# Altium PCB IntelligentCarFor51PcbDoc.PcbDoc (part 2 of 14) (continued)
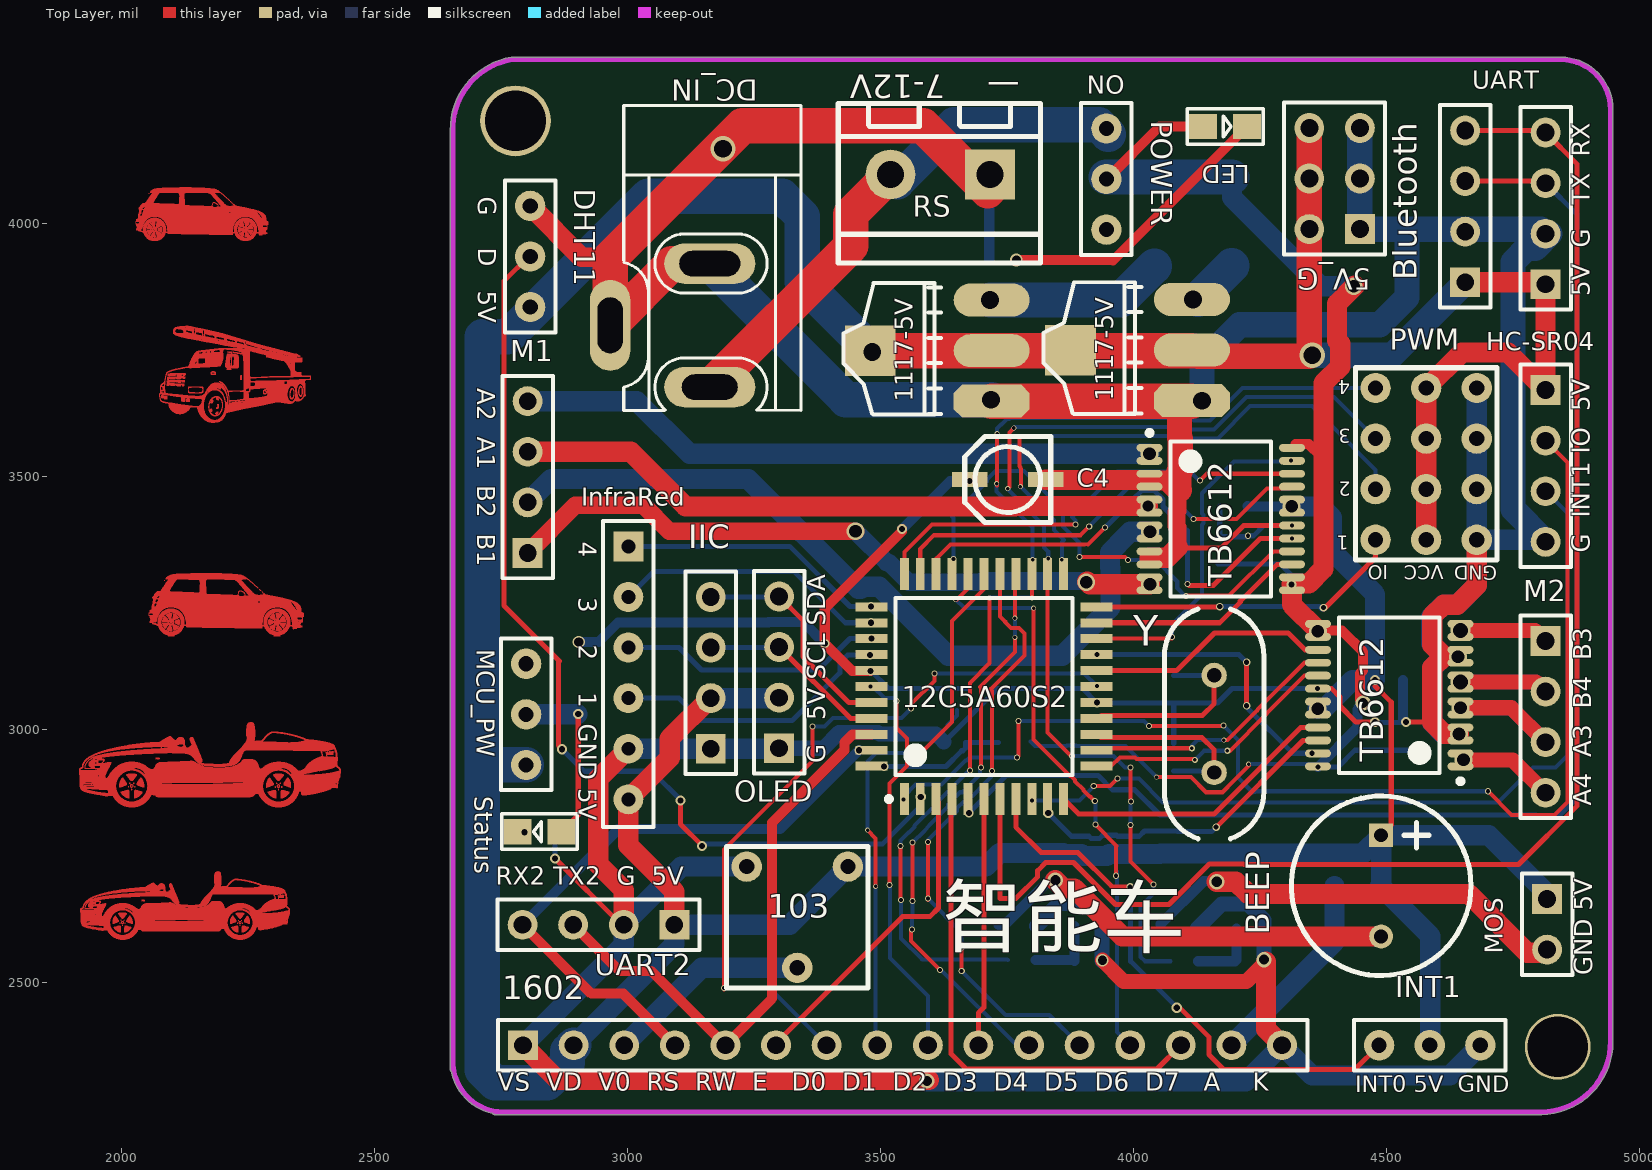
[diagram p0: Top Layer view]
## Nets (pads, with @x,y where several pads share a name; then routed paths per layer and width w, separated by ;. In a path a pad name is that pad's centre, name@x,y a point inside that pad or via, vN(x,y) a via of type N, cw(c..) or ccw(c..) an arc to the next point about the centre after c; other vN are vias at no path point) (continued)
; 2050,4038.1 2068.9,4038.1 ; 2050,4042 2063.2,4042 ; 2050,4043.8 2063.8,4043.8 ; 2050,4044.1 2050.9,4044.1 ; 2050.3,3974.8 2056.9,3974.8 ; 2050.3,4003 2056.9,4003 ; 2050.3,4005.1 2051.8,4005.1 ; 2050.3,4042.3 2063.5,4042.3 ; 2050.3,4044.4 2064.1,4044.4 ; 2050.6,3972.4 2052.4,3972.4 ; 2050.6,3974.5 2057.5,3974.5 ; 2050.6,4003.3 2057.2,4003.3 ; 2050.6,4005.4 2052.4,4005.4 ; 2050.6,4012.6 2055.7,4012.6 ; 2050.6,4017.1 2062,4017.1 ; 2050.6,4044.7 2051.2,4044.7 ; 2050.6,4045 2051.5,4045 ; 2050.9,3972.1 2052.7,3972.1 ; 2050.9,3974.2 2057.8,3974.2 ; 2050.9,4003.6 2057.8,4003.6 ; 2050.9,4005.7 2052.7,4005.7 ; 2050.9,4012.9 2056.3,4012.9 ; 2050.9,4017.4 2081.5,4017.4 ; 2050.9,4043.5 2063.5,4043.5 ; 2050.9,4045.3 2051.8,4045.3 ; 2050.9,4045.6 2051.8,4045.6 ; 2051.2,3971.8 2053,3971.8 ; 2051.2,3973.9 2058.4,3973.9 ; 2051.2,3986.5 2059.6,3986.5 ; 2051.2,3986.8 2059.6,3986.8 ; 2051.2,3987.1 2059.3,3987.1 ; 2051.2,3990.1 2057.8,3990.1 ; 2051.2,3990.4 2059.3,3990.4 ; 2051.2,3990.7 2059.3,3990.7 ; 2051.2,3991 2059.6,3991 ; 2051.2,3991.3 2059.6,3991.3 ; 2051.2,3991.6 2059.6,3991.6 ; 2051.2,4003.9 2058.4,4003.9 ; 2051.2,4006 2053,4006 ; 2051.2,4044.1 2063.8,4044.1 ; 2051.2,4045.9 2052.1,4045.9 ; 2051.5,3971.5 2053.6,3971.5 ; 2051.5,3973.6 2059,3973.6 ; 2051.5,3985 2060.5,3985 ; 2051.5,3985.3 2060.2,3985.3 ; 2051.5,3985.6 2060.2,3985.6 ; 2051.5,3985.9 2059.9,3985.9 ; 2051.5,3986.2 2059.6,3986.2 ; 2051.5,3991.9 2059.9,3991.9 ; 2051.5,3992.2 2059.9,3992.2 ; 2051.5,3992.5 2060.2,3992.5 ; 2051.5,3992.8 2060.5,3992.8 ; 2051.5,4004.2 2059,4004.2 ; 2051.5,4006.3 2053.6,4006.3 ; 2051.5,4013.2 2056.9,4013.2 ; 2051.5,4017.7 2081.2,4017.7 ; 2051.5,4044.7 2064.1,4044.7 ; 2051.5,4046.2 2065,4046.2 ; 2051.5,4046.5 2052.4,4046.5 ; 2051.8,3971.2 2053.9,3971.2 ; 2051.8,3973.3 2059.9,3973.3 ; 2051.8,3984.1 2060.8,3984.1 ; 2051.8,3984.4 2060.8,3984.4 ; 2051.8,3984.7 2060.8,3984.7 ; 2051.8,3993.1 2060.5,3993.1 ; 2051.8,3993.4 2060.2,3993.4 ; 2051.8,3993.7 2059.9,3993.7 ; 2051.8,4004.5 2059.9,4004.5 ; 2051.8,4006.6 2053.9,4006.6 ; 2051.8,4013.5 2057.8,4013.5 ; 2051.8,4045 2064.4,4045 ; 2051.8,4046.8 2065.3,4046.8 ; 2052.1,3983.2 2059.9,3983.2 ; 2052.1,3983.5 2060.2,3983.5 ; 2052.1,3983.8 2060.5,3983.8 ; 2052.1,3994 2059.9,3994 ; 2052.1,3994.3 2059.6,3994.3 ; 2052.1,3994.6 2059.3,3994.6 ; 2052.1,4004.8 2060.8,4004.8 ; 2052.1,4018 2080.6,4018 ; 2052.1,4045.3 2064.4,4045.3 ; 2052.1,4045.6 2064.7,4045.6 ; 2052.1,4047.1 2065.6,4047.1 ; 2052.1,4047.4 2053,4047.4 ; 2052.4,3970.9 2054.5,3970.9 ; 2052.4,3973 2060.8,3973 ; 2052.4,3982.6 2059.6,3982.6 ; 2052.4,3982.9 2059.6,3982.9 ; 2052.4,3994.9 2059,3994.9 ; 2052.4,3995.2 2058.7,3995.2 ; 2052.4,4006.9 2054.5,4006.9 ; 2052.4,4013.8 2059,4013.8 ; 2052.4,4045.9 2065,4045.9 ; 2052.4,4047.7 2053.3,4047.7 ; 2052.7,3970.6 2054.8,3970.6 ; 2052.7,3972.7 2061.7,3972.7 ; 2052.7,3982 2059,3982 ; 2052.7,3982.3 2059.3,3982.3 ; 2052.7,3995.5 2058.7,3995.5 ; 2052.7,3995.8 2058.4,3995.8 ; 2052.7,4005.1 2061.7,4005.1 ; 2052.7,4007.2 2054.8,4007.2 ; 2052.7,4018.3 2080,4018.3 ; 2052.7,4046.5 2065.3,4046.5 ; 2052.7,4048 2066.2,4048 ; 2053,3972.4 2063.5,3972.4 ; 2053,3981.7 2058.7,3981.7 ; 2053,3996.1 2058.1,3996.1 ; 2053,3996.4 2057.8,3996.4 ; 2053,4005.4 2063.2,4005.4 ; 2053,4014.1 2060.2,4014.1 ; 2053,4048.3 2053.6,4048.3 ; 2053,4048.6 2053.9,4048.6 ; 2053.3,3970.3 2055.4,3970.3 ; 2053.3,3972.1 2078.2,3972.1 ; 2053.3,3981.1 2058.4,3981.1 ; 2053.3,3981.4 2058.7,3981.4 ; 2053.3,3996.7 2057.5,3996.7 ; 2053.3,4005.7 2078.2,4005.7 ; 2053.3,4007.5 2055.4,4007.5 ; 2053.3,4018.6 2079.1,4018.6 ; 2053.3,4047.4 2065.6,4047.4 ; 2053.3,4048.9 2066.8,4048.9 ; 2053.3,4049.2 2054.2,4049.2 ; 2053.6,3970 2056,3970 ; 2053.6,3980.5 2058.1,3980.5 ; 2053.6,3980.8 2058.1,3980.8 ; 2053.6,3997 2057.5,3997 ; 2053.6,3997.3 2057.2,3997.3 ; 2053.6,4007.8 2056,4007.8 ; 2053.6,4014.4 2062,4014.4 ; 2053.6,4047.7 2065.9,4047.7 ; 2053.6,4049.5 2054.5,4049.5 ; 2053.9,3971.8 2077.9,3971.8 ; 2053.9,3980.2 2057.8,3980.2 ; 2053.9,3997.6 2056.9,3997.6 ; 2053.9,4006 2077.9,4006 ; 2053.9,4018.9 2078.5,4018.9 ; 2053.9,4048.3 2066.2,4048.3 ; 2053.9,4049.8 2067.1,4049.8 ; 2053.9,4050.1 2054.8,4050.1 ; 2054.2,3969.7 2056.6,3969.7 ; 2054.2,3971.5 2077.3,3971.5 ; 2054.2,3979.9 2057.5,3979.9 ; 2054.2,3997.9 2056.6,3997.9 ; 2054.2,4006.3 2077.3,4006.3 ; 2054.2,4008.1 2056.3,4008.1 ; 2054.2,4014.7 2077.3,4014.7 ; 2054.2,4048.6 2066.5,4048.6 ; 2054.2,4050.4 2055.1,4050.4 ; 2054.5,3969.4 2057.2,3969.4 ; 2054.5,3979.6 2057.2,3979.6 ; 2054.5,3998.2 2056.3,3998.2 ; 2054.5,4019.2 2077.9,4019.2 ; 2054.5,4049.2 2066.8,4049.2 ; 2054.5,4050.7 2067.7,4050.7 ; 2054.5,4051 2068,4051 ; 2054.5,4059.7 2054.8,4059.7 ; 2054.8,3971.2 2077,3971.2 ; 2054.8,3979 2056.9,3979 ; 2054.8,3979.3 2056.9,3979.3 ; 2054.8,3998.5 2056,3998.5 ; 2054.8,3998.8 2055.7,3998.8 ; 2054.8,4006.6 2077,4006.6 ; 2054.8,4008.4 2057.2,4008.4 ; 2054.8,4015 2076.7,4015 ; 2054.8,4049.5 2067.1,4049.5 ; 2054.8,4051.3 2055.7,4051.3 ; 2055.1,3969.1 2057.8,3969.1 ; 2055.1,3970.9 2076.4,3970.9 ; 2055.1,3978.7 2056.6,3978.7 ; 2055.1,3999.1 2055.7,3999.1 ; 2055.1,4006.9 2076.4,4006.9 ; 2055.1,4008.7 2057.8,4008.7 ; 2055.1,4050.1 2067.4,4050.1 ; 2055.1,4051.6 2068.3,4051.6 ; 2055.1,4051.9 2056,4051.9 ; 2055.4,3978.4 2056.3,3978.4 ; 2055.4,4019.5 2077,4019.5 ; 2055.4,4050.4 2067.7,4050.4 ; 2055.4,4052.2 2056.3,4052.2 ; 2055.7,3968.8 2058.7,3968.8 ; 2055.7,3970.6 2075.8,3970.6 ; 2055.7,3978.1 2056.3,3978.1 ; 2055.7,4007.2 2075.8,4007.2 ; 2055.7,4009 2058.7,4009 ; 2055.7,4015.3 2075.8,4015.3 ; 2055.7,4052.5 2068.9,4052.5 ; 2055.7,4052.8 2069.2,4052.8 ; 2056,4019.8 2076.1,4019.8 ; 2056,4051.3 2068.3,4051.3 ; 2056,4053.1 2056.9,4053.1 ; 2056.3,3968.5 2059.6,3968.5 ; 2056.3,3970.3 2075.2,3970.3 ; 2056.3,4007.5 2075.2,4007.5 ; 2056.3,4009.3 2059.6,4009.3 ; 2056.3,4051.9 2068.6,4051.9 ; 2056.3,4053.4 2057.2,4053.4 ; 2056.3,4053.7 2069.5,4053.7 ; 2056.6,4015.6 2074.9,4015.6 ; 2056.6,4052.2 2068.6,4052.2 ; 2056.6,4054 2069.8,4054 ; 2056.6,4062.1 2063.5,4062.1 ; 2056.9,3968.2 2060.5,3968.2 ; 2056.9,3970 2074.6,3970 ; 2056.9,4007.8 2074.6,4007.8 ; 2056.9,4009.6 2060.5,4009.6 ; 2056.9,4054.3 2057.8,4054.3 ; 2056.9,4062.4 2137.6,4062.4 ; 2057.2,3987.4 2059.3,3987.4 ; 2057.2,4020.1 2075.2,4020.1 ; 2057.2,4038.7 2125.6,4038.7 ; 2057.2,4053.1 2069.2,4053.1 ; 2057.2,4054.6 2070.1,4054.6 ; 2057.2,4054.9 2070.4,4054.9 ; 2057.2,4062.7 2063.8,4062.7 ; 2057.5,3969.7 2074,3969.7 ; 2057.5,4000.6 2066.8,4000.6 ; 2057.5,4000.9 2067.1,4000.9 ; 2057.5,4008.1 2074,4008.1 ; 2057.5,4015.9 2074,4015.9 ; 2057.5,4053.4 2069.5,4053.4 ; 2057.5,4055.2 2070.7,4055.2 ; 2057.5,4063 2085.7,4063 ; 2057.8,3967.9 2062,3967.9 ; 2057.8,4000.3 2066.8,4000.3 ; 2057.8,4001.2 2067.1,4001.2 ; 2057.8,4009.9 2062,4009.9 ; 2057.8,4055.5 2058.7,4055.5 ; 2057.8,4055.8 2071,4055.8 ; 2057.8,4063.3 2065.6,4063.3 ; 2057.8,4064.2 2192.5,4064.2 ; 2057.8,4064.5 2192.2,4064.5 ; 2058.1,3976.3 2067.7,3976.3 ; 2058.1,3976.6 2067.4,3976.6 ; 2058.1,4000 2066.8,4000 ; 2058.1,4001.5 2067.1,4001.5 ; 2058.1,4054.3 2070.1,4054.3 ; 2058.1,4056.1 2059,4056.1 ; 2058.1,4064.8 2191.9,4064.8 ; 2058.4,3969.4 2073.1,3969.4 ; 2058.4,3976.9 2067.4,3976.9 ; 2058.4,3999.7 2066.8,3999.7 ; 2058.4,4008.4 2073.4,4008.4 ; 2058.4,4010.2 2064.4,4010.2 ; 2058.4,4020.4 2074,4020.4 ; 2058.4,4056.4 2059.3,4056.4 ; 2058.7,3967.6 2064.4,3967.6 ; 2058.7,3976 2067.7,3976 ; 2058.7,3977.2 2067.4,3977.2 ; 2058.7,3999.4 2066.5,3999.4 ; 2058.7,4001.8 2067.1,4001.8 ; 2058.7,4016.2 2072.8,4016.2 ; 2058.7,4056.7 2059.6,4056.7 ; 2058.7,4057 2071.6,4057 ; 2059,3969.1 2072.5,3969.1 ; 2059,3977.5 2067.1,3977.5 ; 2059,3977.8 2067.1,3977.8 ; 2059,3999.1 2066.5,3999.1 ; 2059,4055.5 2070.7,4055.5 ; 2059,4057.3 2059.9,4057.3 ; 2059.3,3975.7 2067.7,3975.7 ; 2059.3,3978.1 2067.1,3978.1 ; 2059.3,3998.5 2066.5,3998.5 ; 2059.3,3998.8 2066.5,3998.8 ; 2059.3,4002.1 2067.1,4002.1 ; 2059.3,4008.7 2072.5,4008.7 ; 2059.3,4056.1 2071,4056.1 ; 2059.3,4057.6 2072.2,4057.6 ; 2059.3,4065.1 2191.3,4065.1 ; 2059.6,3967.3 2072.2,3967.3 ; 2059.6,3978.4 2067.1,3978.4 ; 2059.6,3998.2 2066.5,3998.2 ; 2059.6,4010.5 2071.9,4010.5 ; 2059.6,4056.4 2071.3,4056.4 ; 2059.6,4057.9 2060.2,4057.9 ; 2059.6,4058.2 2060.5,4058.2 ; 2059.9,3975.4 2067.7,3975.4 ; 2059.9,3978.7 2066.8,3978.7 ; 2059.9,3997.9 2066.2,3997.9 ; 2059.9,4002.4 2067.4,4002.4 ; 2059.9,4020.7 2072.5,4020.7 ; 2059.9,4056.7 2071.6,4056.7 ; 2059.9,4058.5 2060.8,4058.5 ; 2059.9,4065.4 2191,4065.4 ; 2060.2,3968.8 2071.3,3968.8 ; 2060.2,3979 2066.8,3979 ; 2060.2,3979.3 2066.8,3979.3 ; 2060.2,3997.6 2066.2,3997.6 ; 2060.2,4009 2071.6,4009 ; 2060.2,4016.5 2071.3,4016.5 ; 2060.2,4037.8 2078.8,4037.8 ; 2060.2,4057.3 2071.9,4057.3 ; 2060.2,4058.8 2072.8,4058.8 ; 2060.2,4065.7 2190.4,4065.7 ; 2060.5,3967 2071,3967 ; 2060.5,3979.6 2066.8,3979.6 ; 2060.5,3987.7 2061.1,3987.7 ; 2060.5,3988 2061.1,3988 ; 2060.5,3988.3 2060.8,3988.3 ; 2060.5,3988.6 2060.8,3988.6 ; 2060.5,3988.9 2060.8,3988.9 ; 2060.5,3989.2 2060.8,3989.2 ; 2060.5,3989.5 2060.8,3989.5 ; 2060.5,3989.8 2060.8,3989.8 ; 2060.5,3990.1 2061.1,3990.1 ; 2060.5,3990.4 2061.1,3990.4 ; 2060.5,3997.3 2066.2,3997.3 ; 2060.5,4010.8 2071,4010.8 ; 2060.5,4057.9 2072.2,4057.9 ; 2060.5,4059.1 2061.1,4059.1 ; 2060.5,4059.4 2061.4,4059.4 ; 2060.5,4066 2190.1,4066 ; 2060.8,3975.1 2068,3975.1 ; 2060.8,3979.9 2066.5,3979.9 ; 2060.8,3986.8 2061.4,3986.8 ; 2060.8,3987.1 2061.1,3987.1 ; 2060.8,3987.4 2061.1,3987.4 ; 2060.8,3990.7 2061.1,3990.7 ; 2060.8,3991 2061.4,3991 ; 2060.8,3997 2066.2,3997 ; 2060.8,4002.7 2067.4,4002.7 ; 2060.8,4058.2 2072.5,4058.2 ; 2060.8,4059.7 2061.7,4059.7 ; 2060.8,4066.3 2189.5,4066.3 ; 2061.1,3980.2 2066.5,3980.2 ; 2061.1,3980.5 2066.5,3980.5 ; 2061.1,3986.2 2061.7,3986.2 ; 2061.1,3986.5 2061.4,3986.5 ; 2061.1,3991.3 2061.4,3991.3 ; 2061.1,3991.6 2061.7,3991.6 ; 2061.1,3996.7 2066.2,3996.7 ; 2061.1,4058.5 2072.8,4058.5 ; 2061.1,4060 2062,4060 ; 2061.1,4066.6 2188.9,4066.6 ; 2061.4,3968.5 2070.4,3968.5 ; 2061.4,3974.8 2068,3974.8 ; 2061.4,3980.8 2066.2,3980.8 ; 2061.4,3985.9 2061.7,3985.9 ; 2061.4,3988.6 2062,3988.6 ; 2061.4,3988.9 2062,3988.9 ; 2061.4,3991.9 2062,3991.9 ; 2061.4,3996.1 2065.9,3996.1 ; 2061.4,3996.4 2065.9,3996.4 ; 2061.4,4003 2067.4,4003 ; 2061.4,4009.3 2070.4,4009.3 ; 2061.4,4059.1 2073.1,4059.1 ; 2061.4,4060.3 2074,4060.3 ; 2061.4,4060.6 2062.3,4060.6 ; 2061.4,4061.8 2063.2,4061.8 ; 2061.7,3981.1 2066.2,3981.1 ; 2061.7,3985.6 2062,3985.6 ; 2061.7,3987.4 2062.3,3987.4 ; 2061.7,3987.7 2062.3,3987.7 ; 2061.7,3988 2062,3988 ; 2061.7,3988.3 2062,3988.3 ; 2061.7,3989.2 2062,3989.2 ; 2061.7,3989.5 2062,3989.5 ; 2061.7,3989.8 2062,3989.8 ; 2061.7,3990.1 2062.3,3990.1 ; 2061.7,3990.4 2062.3,3990.4 ; 2061.7,3992.2 2062,3992.2 ; 2061.7,3992.5 2062.3,3992.5 ; 2061.7,3995.8 2065.9,3995.8 ; 2061.7,4021 2070.7,4021 ; 2061.7,4059.4 2073.1,4059.4 ; 2061.7,4060.9 2062.6,4060.9 ; 2061.7,4061.2 2074.9,4061.2 ; 2061.7,4061.5 2062.9,4061.5 ; 2061.7,4066.9 2188.6,4066.9 ; 2062,3981.4 2066.2,3981.4 ; 2062,3985 2062.9,3985 ; 2062,3985.3 2062.3,3985.3 ; 2062,3986.8 2062.6,3986.8 ; 2062,3987.1 2062.3,3987.1 ; 2062,3990.7 2062.3,3990.7 ; 2062,3991 2062.6,3991 ; 2062,3992.8 2062.6,3992.8 ; 2062,3995.5 2064.7,3995.5 ; 2062,4059.7 2073.4,4059.7 ; 2062.3,3966.7 2069.5,3966.7 ; 2062.3,3981.7 2066.2,3981.7 ; 2062.3,3984.7 2063.2,3984.7 ; 2062.3,3986.5 2062.9,3986.5 ; 2062.3,3991.3 2062.9,3991.3 ; 2062.3,3995.2 2063.5,3995.2 ; 2062.3,4011.1 2069.5,4011.1 ; 2062.3,4016.8 2068.9,4016.8 ; 2062.3,4060 2073.7,4060 ; 2062.3,4067.2 2188,4067.2 ; 2062.6,3982 2066.2,3982 ; 2062.6,3982.3 2065,3982.3 ; 2062.6,3986.2 2063.2,3986.2 ; 2062.6,3991.6 2063.2,3991.6 ; 2062.6,3993.1 2063.2,3993.1 ; 2062.6,3994.9 2062.9,3994.9 ; 2062.6,4003.3 2067.4,4003.3 ; 2062.6,4060.6 2074.3,4060.6 ; 2062.9,3974.5 2068,3974.5 ; 2062.9,3982.6 2063.8,3982.6 ; 2062.9,3984.4 2063.8,3984.4 ; 2062.9,3985.9 2063.5,3985.9 ; 2062.9,3986.8 2063.5,3986.8 ; 2062.9,3987.1 2063.2,3987.1 ; 2062.9,3987.4 2063.5,3987.4 ; 2062.9,3991.9 2063.5,3991.9 ; 2062.9,3993.4 2063.8,3993.4 ; 2062.9,4060.9 2074.6,4060.9 ; 2062.9,4067.5 2187.4,4067.5 ; 2063.2,3968.2 2068.6,3968.2 ; 2063.2,3985.6 2063.8,3985.6 ; 2063.2,3986.5 2064.4,3986.5 ; 2063.2,3987.7 2064.1,3987.7 ; 2063.2,3990.7 2063.8,3990.7 ; 2063.2,3991 2063.5,3991 ; 2063.2,3991.3 2063.8,3991.3 ; 2063.2,3992.2 2063.8,3992.2 ; 2063.2,4009.6 2068.6,4009.6 ; 2063.2,4061.5 2075.8,4061.5 ; 2063.5,3984.1 2064.7,3984.1 ; 2063.5,3985.3 2064.7,3985.3 ; 2063.5,3990.4 2064.4,3990.4 ; 2063.5,3991.6 2064.7,3991.6 ; 2063.5,3992.5 2064.7,3992.5 ; 2063.5,3993.7 2064.7,3993.7 ; 2063.5,4061.8 2122.9,4061.8 ; 2063.5,4067.8 2186.8,4067.8 ; 2063.8,3987.4 2064.4,3987.4 ; 2063.8,4062.1 2122.9,4062.1 ; 2064.1,3983.8 2067.4,3983.8 ; 2064.1,3985 2067.4,3985 ; 2064.1,3986.8 2064.4,3986.8 ; 2064.1,3987.1 2064.7,3987.1 ; 2064.1,3988 2065.3,3988 ; 2064.1,3988.3 2065,3988.3 ; 2064.1,3988.6 2064.7,3988.6 ; 2064.1,3988.9 2064.7,3988.9 ; 2064.1,3989.2 2064.7,3989.2 ; 2064.1,3989.5 2065,3989.5 ; 2064.1,3989.8 2065.3,3989.8 ; 2064.1,3990.7 2064.7,3990.7 ; 2064.1,3991.3 2064.7,3991.3 ; 2064.1,3992.8 2067.4,3992.8 ; 2064.1,3994 2067.4,3994 ; 2064.1,4062.7 2110.3,4062.7 ; 2064.4,3987.7 2067.1,3987.7 ; 2064.4,3990.1 2067.1,3990.1 ; 2064.4,3991 2064.7,3991 ; 2064.4,4068.1 2186.2,4068.1 ; 2064.7,3987.4 2066.8,3987.4 ; 2064.7,3990.4 2066.8,3990.4 ; 2065,3974.2 2065.9,3974.2 ; 2065,3984.7 2066.5,3984.7 ; 2065,3993.1 2066.5,3993.1 ; 2065,4003.6 2065.6,4003.6 ; 2065,4021.3 2065.6,4021.3 ; 2065,4063.9 2191.9,4063.9 ; 2065,4068.4 2185,4068.4 ; 2065.3,3990.7 2066.2,3990.7 ; 2065.6,3987.1 2065.9,3987.1 ; 2065.6,4021.6 2213.5,4021.6 ; 2065.9,4003.6 2066.2,4003.6 ; 2065.9,4068.7 2183.5,4068.7 ; 2066.2,3974.2 2066.5,3974.2 ; 2066.2,3988 2067.4,3988 ; 2066.2,3989.8 2067.4,3989.8 ; 2066.5,3988.3 2067.4,3988.3 ; 2066.5,3989.5 2067.4,3989.5 ; 2066.5,4003.6 2066.8,4003.6 ; 2066.8,3984.1 2068.3,3984.1 ; 2066.8,3986.5 2067.4,3986.5 ; 2066.8,3986.8 2067.1,3986.8 ; 2066.8,3987.1 2067.4,3987.1 ; 2066.8,3988.6 2067.7,3988.6 ; 2066.8,3988.9 2067.7,3988.9 ; 2066.8,3989.2 2067.7,3989.2 ; 2066.8,3993.7 2068.3,3993.7 ; 2067.1,3967.6 2073.1,3967.6 ; 2067.1,3985.3 2068,3985.3 ; 2067.1,3986.2 2068,3986.2 ; 2067.1,3987.4 2068.3,3987.4 ; 2067.1,3990.4 2067.7,3990.4 ; 2067.1,3990.7 2067.4,3990.7 ; 2067.1,3991 2067.7,3991 ; 2067.1,3992.5 2068,3992.5 ; 2067.1,4010.2 2073.1,4010.2 ; 2067.1,4069 2181.4,4069 ; 2067.4,3990.1 2068.6,3990.1 ; 2067.4,3991.3 2068.3,3991.3 ; 2067.4,4038.4 2068,4038.4 ; 2067.7,3984.4 2068.6,3984.4 ; 2067.7,3985.6 2068.3,3985.6 ; 2067.7,3987.1 2068.3,3987.1 ; 2067.7,3992.2 2068.6,3992.2 ; 2067.7,3993.4 2068.6,3993.4 ; 2068,3986.5 2068.3,3986.5 ; 2068,3986.8 2068.6,3986.8 ; 2068.3,3984.7 2069.2,3984.7 ; 2068.3,3985.9 2068.9,3985.9 ; 2068.3,3990.4 2068.6,3990.4 ; 2068.3,3990.7 2068.9,3990.7 ; 2068.3,3991 2068.6,3991 ; 2068.3,3991.9 2068.9,3991.9 ; 2068.3,3993.1 2069.2,3993.1 ; 2068.3,4005.4 2078.5,4005.4 ; 2068.3,4069.3 2179,4069.3 ; 2068.6,3972.4 2078.5,3972.4 ; 2068.6,3982.6 2076.4,3982.6 ; 2068.6,3982.9 2075.8,3982.9 ; 2068.6,3986.2 2069.2,3986.2 ; 2068.6,3986.5 2069.2,3986.5 ; 2068.6,3991.6 2069.2,3991.6 ; 2068.6,3995.2 2076.1,3995.2 ; 2068.6,3995.5 2076.7,3995.5 ; 2068.6,3995.8 2077.6,3995.8 ; 2068.6,3996.1 2077.9,3996.1 ; 2068.6,3996.4 2078.5,3996.4 ; 2068.6,4017.1 2082.1,4017.1 ; 2068.9,3981.1 2078.2,3981.1 ; 2068.9,3981.4 2078.5,3981.4 ; 2068.9,3981.7 2078.5,3981.7 ; 2068.9,3982 2077.6,3982 ; 2068.9,3982.3 2077,3982.3 ; 2068.9,3985 2069.5,3985 ; 2068.9,3986.8 2069.5,3986.8 ; 2068.9,3991 2069.5,3991 ; 2068.9,3991.3 2069.2,3991.3 ; 2068.9,3992.8 2069.5,3992.8 ; 2068.9,3994.9 2075.5,3994.9 ; 2068.9,3996.7 2078.2,3996.7 ; 2068.9,3997 2078.2,3997 ; 2068.9,3997.3 2077.9,3997.3 ; 2068.9,3997.6 2077.6,3997.6 ; 2068.9,3997.9 2077.3,3997.9 ; 2068.9,4038.4 2125.6,4038.4 ; 2069.2,3979.9 2077.3,3979.9 ; 2069.2,3980.2 2077.6,3980.2 ; 2069.2,3980.5 2077.9,3980.5 ; 2069.2,3980.8 2078.2,3980.8 ; 2069.2,3983.2 2075.2,3983.2 ; 2069.2,3985.3 2069.8,3985.3 ; 2069.2,3987.1 2069.5,3987.1 ; 2069.2,3987.4 2069.8,3987.4 ; 2069.2,3990.4 2069.8,3990.4 ; 2069.2,3990.7 2069.8,3990.7 ; 2069.2,3992.5 2069.8,3992.5 ; 2069.2,3998.2 2077.3,3998.2 ; 2069.2,3998.5 2077,3998.5 ; 2069.2,3998.8 2076.7,3998.8 ; 2069.2,3999.1 2076.4,3999.1 ; 2069.2,3999.4 2076.1,3999.4 ; 2069.2,4014.4 2078.2,4014.4 ; 2069.5,3967.9 2074,3967.9 ; 2069.5,3978.7 2076.4,3978.7 ; 2069.5,3979 2076.7,3979 ; 2069.5,3979.3 2077,3979.3 ; 2069.5,3979.6 2077.3,3979.6 ; 2069.5,3985.6 2070.1,3985.6 ; 2069.5,3987.7 2069.8,3987.7 ; 2069.5,3988 2069.8,3988 ; 2069.5,3988.3 2070.1,3988.3 ; 2069.5,3988.6 2070.1,3988.6 ; 2069.5,3988.9 2070.1,3988.9 ; 2069.5,3989.2 2070.1,3989.2 ; 2069.5,3989.5 2070.1,3989.5 ; 2069.5,3989.8 2069.8,3989.8 ; 2069.5,3990.1 2069.8,3990.1 ; 2069.5,3992.2 2070.1,3992.2 ; 2069.5,3994.6 2074.9,3994.6 ; 2069.5,3999.7 2075.8,3999.7 ; 2069.5,4000 2075.5,4000 ; 2069.5,4000.3 2074.9,4000.3 ; 2069.5,4000.6 2074.6,4000.6 ; 2069.5,4000.9 2074.3,4000.9 ; 2069.5,4009.9 2074,4009.9 ; 2069.5,4037.5 2088.4,4037.5 ; 2069.8,3972.7 2079.1,3972.7 ; 2069.8,3977.5 2075.2,3977.5 ; 2069.8,3977.8 2075.5,3977.8 ; 2069.8,3978.1 2075.8,3978.1 ; 2069.8,3978.4 2076.1,3978.4 ; 2069.8,3983.5 2074.6,3983.5 ; 2069.8,3985.9 2070.4,3985.9 ; 2069.8,3986.2 2070.4,3986.2 ; 2069.8,3991.6 2070.4,3991.6 ; 2069.8,3991.9 2070.1,3991.9 ; 2069.8,3994.3 2074.3,3994.3 ; 2069.8,4001.2 2074,4001.2 ; 2069.8,4001.5 2073.4,4001.5 ; 2069.8,4001.8 2072.8,4001.8 ; 2069.8,4002.1 2072.2,4002.1 ; 2069.8,4002.4 2071.6,4002.4 ; 2069.8,4005.1 2079.1,4005.1 ; 2069.8,4069.6 2176,4069.6 ; 2070.1,3976 2072.8,3976 ; 2070.1,3976.3 2073.4,3976.3 ; 2070.1,3976.6 2073.7,3976.6 ; 2070.1,3976.9 2074.3,3976.9 ; 2070.1,3977.2 2074.9,3977.2 ; 2070.1,3983.8 2073.7,3983.8 ; 2070.1,3986.5 2070.7,3986.5 ; 2070.1,3991 2070.7,3991 ; 2070.1,3991.3 2070.7,3991.3 ; 2070.1,3994 2073.7,3994 ; 2070.1,4002.7 2071,4002.7 ; 2070.1,4021.3 2070.4,4021.3 ; 2070.4,3975.1 2071,3975.1 ; 2070.4,3975.4 2071.6,3975.4 ; 2070.4,3975.7 2072.2,3975.7 ; 2070.4,3984.1 2073.1,3984.1 ; 2070.4,3986.8 2070.7,3986.8 ; 2070.4,3987.1 2070.7,3987.1 ; 2070.4,3987.4 2071,3987.4 ; 2070.4,3990.4 2071,3990.4 ; 2070.4,3990.7 2071,3990.7 ; 2070.4,3993.7 2073.1,3993.7 ; 2070.7,3984.4 2072.5,3984.4 ; 2070.7,3987.7 2071,3987.7 ; 2070.7,3988 2071,3988 ; 2070.7,3988.3 2071.3,3988.3 ; 2070.7,3988.6 2071.3,3988.6 ; 2070.7,3988.9 2071.3,3988.9 ; 2070.7,3989.2 2071.3,3989.2 ; 2070.7,3989.5 2071.3,3989.5 ; 2070.7,3989.8 2071,3989.8 ; 2070.7,3990.1 2071,3990.1 ; 2070.7,3993.4 2072.2,3993.4 ; 2070.7,4004.8 2079.4,4004.8 ; 2070.7,4021.3 2221,4021.3 ; 2071,3968.2 2074.6,3968.2 ; 2071,3973 2079.4,3973 ; 2071,3984.7 2071.6,3984.7 ; 2071,3993.1 2071.6,3993.1 ; 2071,4009.6 2074.6,4009.6 ; 2071,4014.1 2078.8,4014.1 ; 2071.3,4016.8 2082.7,4016.8 ; 2071.6,4069.9 2172.7,4069.9 ; 2071.9,3968.5 2075.2,3968.5 ; 2071.9,3973.3 2079.7,3973.3 ; 2071.9,4004.5 2079.7,4004.5 ; 2071.9,4009.3 2075.2,4009.3 ; 2072.5,3973.6 2080,3973.6 ; 2072.5,3987.4 2080.3,3987.4 ; 2072.5,3987.7 2080.6,3987.7 ; 2072.5,3988 2080.6,3988 ; 2072.5,3988.3 2080.6,3988.3 ; 2072.5,3988.6 2080.6,3988.6 ; 2072.5,3988.9 2080.6,3988.9 ; 2072.5,3989.2 2080.6,3989.2 ; 2072.5,3989.5 2080.6,3989.5 ; 2072.5,3989.8 2080.6,3989.8 ; 2072.5,3990.1 2080.6,3990.1 ; 2072.5,3990.4 2080.3,3990.4 ; 2072.5,4004.2 2080,4004.2 ; 2072.5,4013.8 2079.4,4013.8 ; 2072.5,4021 2230.6,4021 ; 2072.8,4009 2075.8,4009 ; 2072.8,4016.5 2083,4016.5 ; 2073.1,3968.8 2075.8,3968.8 ; 2073.1,3973.9 2080.3,3973.9 ; 2073.1,3987.1 2080.3,3987.1 ; 2073.1,3990.7 2080.3,3990.7 ; 2073.1,4003.9 2080.3,4003.9 ; 2073.4,3991 2080.3,3991 ; 2073.7,3969.1 2076.4,3969.1 ; 2073.7,3974.2 2080.6,3974.2 ; 2073.7,3986.8 2080.3,3986.8 ; 2073.7,4003.6 2080.6,4003.6 ; 2073.7,4008.7 2076.4,4008.7 ; 2073.7,4013.5 2079.7,4013.5 ; 2074,3991.3 2080.3,3991.3 ; 2074,4016.2 2083.3,4016.2 ; 2074,4020.7 2266.9,4020.7 ; 2074.3,3969.4 2077,3969.4 ; 2074.3,3974.5 2080.9,3974.5 ; 2074.3,3986.5 2080.3,3986.5 ; 2074.3,4003.3 2080.9,4003.3 ; 2074.3,4008.4 2077,4008.4 ; 2074.3,4070.2 2169.7,4070.2 ; 2074.6,4013.2 2080.3,4013.2 ; 2074.9,3974.8 2081.2,3974.8 ; 2074.9,3986.2 2080.3,3986.2 ; 2074.9,3991.6 2080.3,3991.6 ; 2074.9,4003 2081.2,4003 ; 2074.9,4020.4 2231.2,4020.4 ; 2075,3661.3 2076.2,3661.3 ; 2075,3661.6 2076.2,3661.6 ; 2075,3661.9 2076.2,3661.9 ; 2075,3662.2 2076.2,3662.2 ; 2075,3662.5 2076.2,3662.5 ; 2075,3662.8 2076.2,3662.8 ; 2075,3663.1 2076.2,3663.1 ; 2075,3663.4 2076.5,3663.4 ; 2075.2,3969.7 2077.6,3969.7 ; 2075.2,3975.1 2081.5,3975.1 ; 2075.2,3991.9 2080.3,3991.9 ; 2075.2,4002.7 2081.5,4002.7 ; 2075.2,4008.1 2077.6,4008.1 ; 2075.2,4015.9 2083.9,4015.9 ; 2075.3,3658.9 2076.5,3658.9 ; 2075.3,3659.2 2076.2,3659.2 ; 2075.3,3659.5 2076.2,3659.5 ; 2075.3,3659.8 2076.2,3659.8 ; 2075.3,3660.1 2076.2,3660.1 ; 2075.3,3660.4 2076.2,3660.4 ; 2075.3,3660.7 2076.2,3660.7 ; 2075.3,3661 2076.2,3661 ; 2075.3,3663.7 2076.8,3663.7 ; 2075.3,3664 2093.9,3664 ; 2075.5,3975.4 2081.8,3975.4 ; 2075.5,3985.9 2080.3,3985.9 ; 2075.5,4002.4 2081.8,4002.4 ; 2075.5,4012.9 2080.9,4012.9 ; 2075.6,3657.1 2076.5,3657.1 ; 2075.6,3657.4 2076.5,3657.4 ; 2075.6,3657.7 2076.5,3657.7 ; 2075.6,3658 2076.5,3658 ; 2075.6,3658.3 2076.5,3658.3 ; 2075.6,3658.6 2076.5,3658.6 ; 2075.6,3664.3 2091.8,3664.3 ; 2075.8,3970 2077.9,3970 ; 2075.8,3992.2 2080,3992.2 ; 2075.8,4007.8 2077.9,4007.8 ; 2075.9,3655.3 2077.1,3655.3 ; 2075.9,3655.6 2076.8,3655.6 ; 2075.9,3655.9 2076.8,3655.9 ; 2075.9,3656.2 2076.8,3656.2 ; 2075.9,3656.5 2076.8,3656.5 ; 2075.9,3656.8 2076.8,3656.8 ; 2075.9,3664.6 2090.3,3664.6 ; 2076.1,3970.3 2078.5,3970.3 ; 2076.1,3975.7 2082.1,3975.7 ; 2076.1,3985.6 2080,3985.6 ; 2076.1,4002.1 2082.1,4002.1 ; 2076.1,4015.6 2084.2,4015.6 ; 2076.2,3653.5 2077.4,3653.5 ; 2076.2,3653.8 2077.4,3653.8 ; 2076.2,3654.1 2077.4,3654.1 ; 2076.2,3654.4 2077.1,3654.4 ; 2076.2,3654.7 2077.1,3654.7 ; 2076.2,3655 2077.1,3655 ; 2076.2,3664.9 2089.1,3664.9 ; 2076.4,3976 2082.1,3976 ; 2076.4,4001.8 2082.1,4001.8 ; 2076.4,4007.5 2078.5,4007.5 ; 2076.4,4012.6 2081.2,4012.6 ; 2076.4,4020.1 2231.5,4020.1 ; 2076.5,3652.3 2077.7,3652.3 ; 2076.5,3652.6 2077.7,3652.6 ; 2076.5,3652.9 2077.7,3652.9 ; 2076.5,3653.2 2077.4,3653.2 ; 2076.5,3670 2083.1,3670 ; 2076.5,3670.3 2083.4,3670.3 ; 2076.5,3670.6 2083.4,3670.6 ; 2076.5,3670.9 2079.2,3670.9 ; 2076.5,3671.2 2078.6,3671.2 ; 2076.5,3671.5 2078.3,3671.5 ; 2076.5,3671.8 2078,3671.8 ; 2076.5,3672.1 2078,3672.1 ; 2076.5,3672.4 2078,3672.4 ; 2076.5,3672.7 2077.7,3672.7 ; 2076.5,3673 2077.7,3673 ; 2076.5,3673.3 2077.7,3673.3 ; 2076.5,3673.6 2077.7,3673.6 ; 2076.5,3673.9 2077.7,3673.9 ; 2076.5,3674.2 2077.7,3674.2 ; 2076.7,3970.6 2078.8,3970.6 ; 2076.7,3976.3 2082.4,3976.3 ; 2076.7,3985.3 2080,3985.3 ; 2076.7,3992.5 2080,3992.5 ; 2076.7,4001.5 2082.4,4001.5 ; 2076.7,4007.2 2078.8,4007.2 ; 2076.7,4015.3 2084.8,4015.3 ; 2076.8,3651.4 2078.3,3651.4 ; 2076.8,3651.7 2078,3651.7 ; 2076.8,3652 2078,3652 ; 2076.8,3665.2 2088.2,3665.2 ; 2076.8,3668.2 2078.3,3668.2 ; 2076.8,3668.5 2078,3668.5 ; 2076.8,3668.8 2078,3668.8 ; 2076.8,3669.1 2078,3669.1 ; 2076.8,3669.4 2078,3669.4 ; 2076.8,3669.7 2078.3,3669.7 ; 2076.8,3674.5 2077.7,3674.5 ; 2076.8,3674.8 2077.7,3674.8 ; 2076.8,3675.1 2077.7,3675.1 ; 2076.8,3675.4 2077.7,3675.4 ; 2076.8,3675.7 2077.7,3675.7 ; 2076.8,3676 2077.7,3676 ; 2076.8,3676.3 2077.7,3676.3 ; 2076.8,3676.6 2078,3676.6 ; 2076.8,3676.9 2078,3676.9 ; 2076.8,3677.2 2078,3677.2 ; 2076.8,3677.5 2078,3677.5 ; 2076.8,3677.8 2078,3677.8 ; 2076.8,3678.1 2078.6,3678.1 ; 2077,3976.6 2082.7,3976.6 ; 2077,4001.2 2082.7,4001.2 ; 2077,4012.3 2081.8,4012.3 ; 2077,4019.8 2231.8,4019.8 ; 2077.1,3650.8 2078.6,3650.8 ; 2077.1,3651.1 2078.3,3651.1 ; 2077.1,3667.3 2079.2,3667.3 ; 2077.1,3667.6 2078.9,3667.6 ; 2077.1,3667.9 2078.6,3667.9 ; 2077.1,3678.4 2082.8,3678.4 ; 2077.1,3678.7 2082.2,3678.7 ; 2077.1,3679 2081,3679 ; 2077.1,3679.3 2079.8,3679.3 ; 2077.3,3970.9 2079.4,3970.9 ; 2077.3,3976.9 2083,3976.9 ; 2077.3,3985 2080,3985 ; 2077.3,3992.8 2080,3992.8 ; 2077.3,4000.9 2083,4000.9 ; 2077.3,4006.9 2079.4,4006.9 ; 2077.4,3650.5 2078.9,3650.5 ; 2077.4,3666.7 2080.1,3666.7 ; 2077.4,3667 2079.5,3667 ; 2077.4,3679.6 2078.9,3679.6 ; 2077.4,3679.9 2078.6,3679.9 ; 2077.4,3680.2 2078.6,3680.2 ; 2077.6,3971.2 2079.7,3971.2 ; 2077.6,3977.2 2083,3977.2 ; 2077.6,4006.6 2079.7,4006.6 ; 2077.6,4012 2082.1,4012 ; 2077.6,4015 2085.1,4015 ; 2077.7,3650.2 2079.2,3650.2 ; 2077.7,3666.4 2081,3666.4 ; 2077.7,3680.5 2078.6,3680.5 ; 2077.7,3680.8 2078.9,3680.8 ; 2077.9,3977.5 2083.3,3977.5 ; 2077.9,3984.7 2080,3984.7 ; 2077.9,3993.1 2080,3993.1 ; 2077.9,4000.3 2083.3,4000.3 ; 2077.9,4000.6 2083,4000.6 ; 2077.9,4019.5 2232.1,4019.5 ; 2078,3649.9 2079.8,3649.9 ; 2078,3666.1 2082.2,3666.1 ; 2078,3681.1 2079.2,3681.1 ; 2078,3681.4 2079.5,3681.4 ; 2078.2,3971.5 2080,3971.5 ; 2078.2,3977.8 2083.6,3977.8 ; 2078.2,4000 2083.6,4000 ; 2078.2,4006.3 2080,4006.3 ; 2078.2,4011.7 2082.7,4011.7 ; 2078.2,4014.7 2085.4,4014.7 ; 2078.2,4038.1 2124.1,4038.1 ; 2078.3,3649.6 2080.1,3649.6 ; 2078.3,3665.5 2087.6,3665.5 ; 2078.3,3665.8 2087.3,3665.8 ; 2078.3,3681.7 2079.8,3681.7 ; 2078.5,3971.8 2080.3,3971.8 ; 2078.5,3978.1 2083.6,3978.1 ; 2078.5,3984.4 2079.7,3984.4 ; 2078.5,3993.4 2079.7,3993.4 ; 2078.5,3999.7 2083.6,3999.7 ; 2078.5,4006 2080.3,4006 ; 2078.5,4019.2 2256.7,4019.2 ; 2078.6,3649.3 2080.7,3649.3 ; 2078.6,3663.7 2096.6,3663.7 ; 2078.6,3682 2080.1,3682 ; 2078.8,3972.1 2080.6,3972.1 ; 2078.8,3978.4 2083.9,3978.4 ; 2078.8,3999.4 2083.9,3999.4 ; 2078.8,4005.7 2080.9,4005.7 ; 2078.8,4011.4 2083,4011.4 ; 2078.8,4014.4 2085.7,4014.4 ; 2078.8,4037.2 2097.4,4037.2 ; 2078.9,3649 2081.3,3649 ; 2078.9,3657.4 2083.7,3657.4 ; 2078.9,3657.7 2083.7,3657.7 ; 2078.9,3658 2083.7,3658 ; 2078.9,3658.3 2083.7,3658.3 ; 2078.9,3658.6 2083.7,3658.6 ; 2078.9,3658.9 2083.7,3658.9 ; 2078.9,3659.2 2083.7,3659.2 ; 2078.9,3659.5 2083.4,3659.5 ; 2078.9,3659.8 2083.4,3659.8 ; 2078.9,3660.1 2083.4,3660.1 ; 2078.9,3660.4 2083.1,3660.4 ; 2078.9,3660.7 2082.8,3660.7 ; 2078.9,3682.3 2080.7,3682.3 ; 2079.1,3978.7 2083.9,3978.7 ; 2079.1,3984.1 2079.7,3984.1 ; 2079.1,3993.7 2079.7,3993.7 ; 2079.1,3999.1 2083.9,3999.1 ; 2079.1,4018.9 2232.4,4018.9 ; 2079.2,3656.5 2083.7,3656.5 ; 2079.2,3656.8 2083.7,3656.8 ; 2079.2,3657.1 2083.7,3657.1 ; 2079.2,3682.6 2081,3682.6 ; 2079.4,3972.4 2081.2,3972.4 ; 2079.4,3979 2084.2,3979 ; 2079.4,3979.3 2084.2,3979.3 ; 2079.4,3998.5 2084.2,3998.5 ; 2079.4,3998.8 2084.2,3998.8 ; 2079.4,4005.4 2081.2,4005.4 ; 2079.4,4011.1 2083.3,4011.1 ; 2079.4,4014.1 2086,4014.1 ; 2079.5,3648.7 2082.2,3648.7 ; 2079.5,3661 2082.5,3661 ; 2079.5,3663.4 2100.2,3663.4 ; 2079.5,3669.7 2083.1,3669.7 ; 2079.5,3682.9 2081.6,3682.9 ; 2079.7,3972.7 2081.5,3972.7 ; 2079.7,3979.6 2084.5,3979.6 ; 2079.7,3998.2 2084.5,3998.2 ; 2079.7,4005.1 2081.5,4005.1 ; 2079.7,4010.8 2083.6,4010.8 ; 2079.8,3656.2 2083.7,3656.2 ; 2079.8,3683.2 2081.9,3683.2 ; 2080,3973 2081.8,3973 ; 2080,3979.9 2084.8,3979.9 ; 2080,3980.2 2084.8,3980.2 ; 2080,3997.6 2084.8,3997.6 ; 2080,3997.9 2084.8,3997.9 ; 2080,4004.8 2081.8,4004.8 ; 2080,4013.8 2086.3,4013.8 ; 2080,4018.6 2232.1,4018.6 ; 2080,4027.6 2089.3,4027.6 ; 2080,4027.9 2089.6,4027.9 ; 2080,4028.2 2089.6,4028.2 ; 2080,4028.5 2089.6,4028.5 ; 2080,4028.8 2089.6,4028.8 ; 2080,4029.1 2089.6,4029.1 ; 2080,4029.4 2089.6,4029.4 ; 2080,4029.7 2089.6,4029.7 ; 2080,4030 2089.6,4030 ; 2080,4036.9 2080.6,4036.9 ; 2080.1,3648.4 2083.1,3648.4 ; 2080.1,3678.1 2083.4,3678.1 ; 2080.3,3973.3 2082.1,3973.3 ; 2080.3,3980.5 2084.8,3980.5 ; 2080.3,3980.8 2085.1,3980.8 ; 2080.3,3997 2085.1,3997 ; 2080.3,3997.3 2084.8,3997.3 ; 2080.3,4004.5 2082.1,4004.5 ; 2080.3,4010.5 2083.9,4010.5 ; 2080.3,4013.5 2086.6,4013.5 ; 2080.3,4027 2089.3,4027 ; 2080.3,4027.3 2089.3,4027.3 ; 2080.3,4030.3 2089.3,4030.3 ; 2080.3,4030.6 2089.3,4030.6 ; 2080.4,3661.3 2081.6,3661.3 ; 2080.4,3683.5 2082.5,3683.5 ; 2080.6,3973.6 2082.1,3973.6 ; 2080.6,3981.1 2085.1,3981.1 ; 2080.6,3981.4 2085.4,3981.4 ; 2080.6,3996.4 2085.4,3996.4 ; 2080.6,3996.7 2085.1,3996.7 ; 2080.6,4004.2 2082.4,4004.2 ; 2080.6,4010.2 2084.2,4010.2 ; 2080.6,4018.3 2233.3,4018.3 ; 2080.6,4026.4 2089,4026.4 ; 2080.6,4026.7 2089,4026.7 ; 2080.6,4030.9 2089,4030.9 ; 2080.6,4031.2 2089,4031.2 ; 2080.7,3648.1 2084.3,3648.1